# Altium PCB Sensor.PcbDoc (part 2 of 2) (continued)
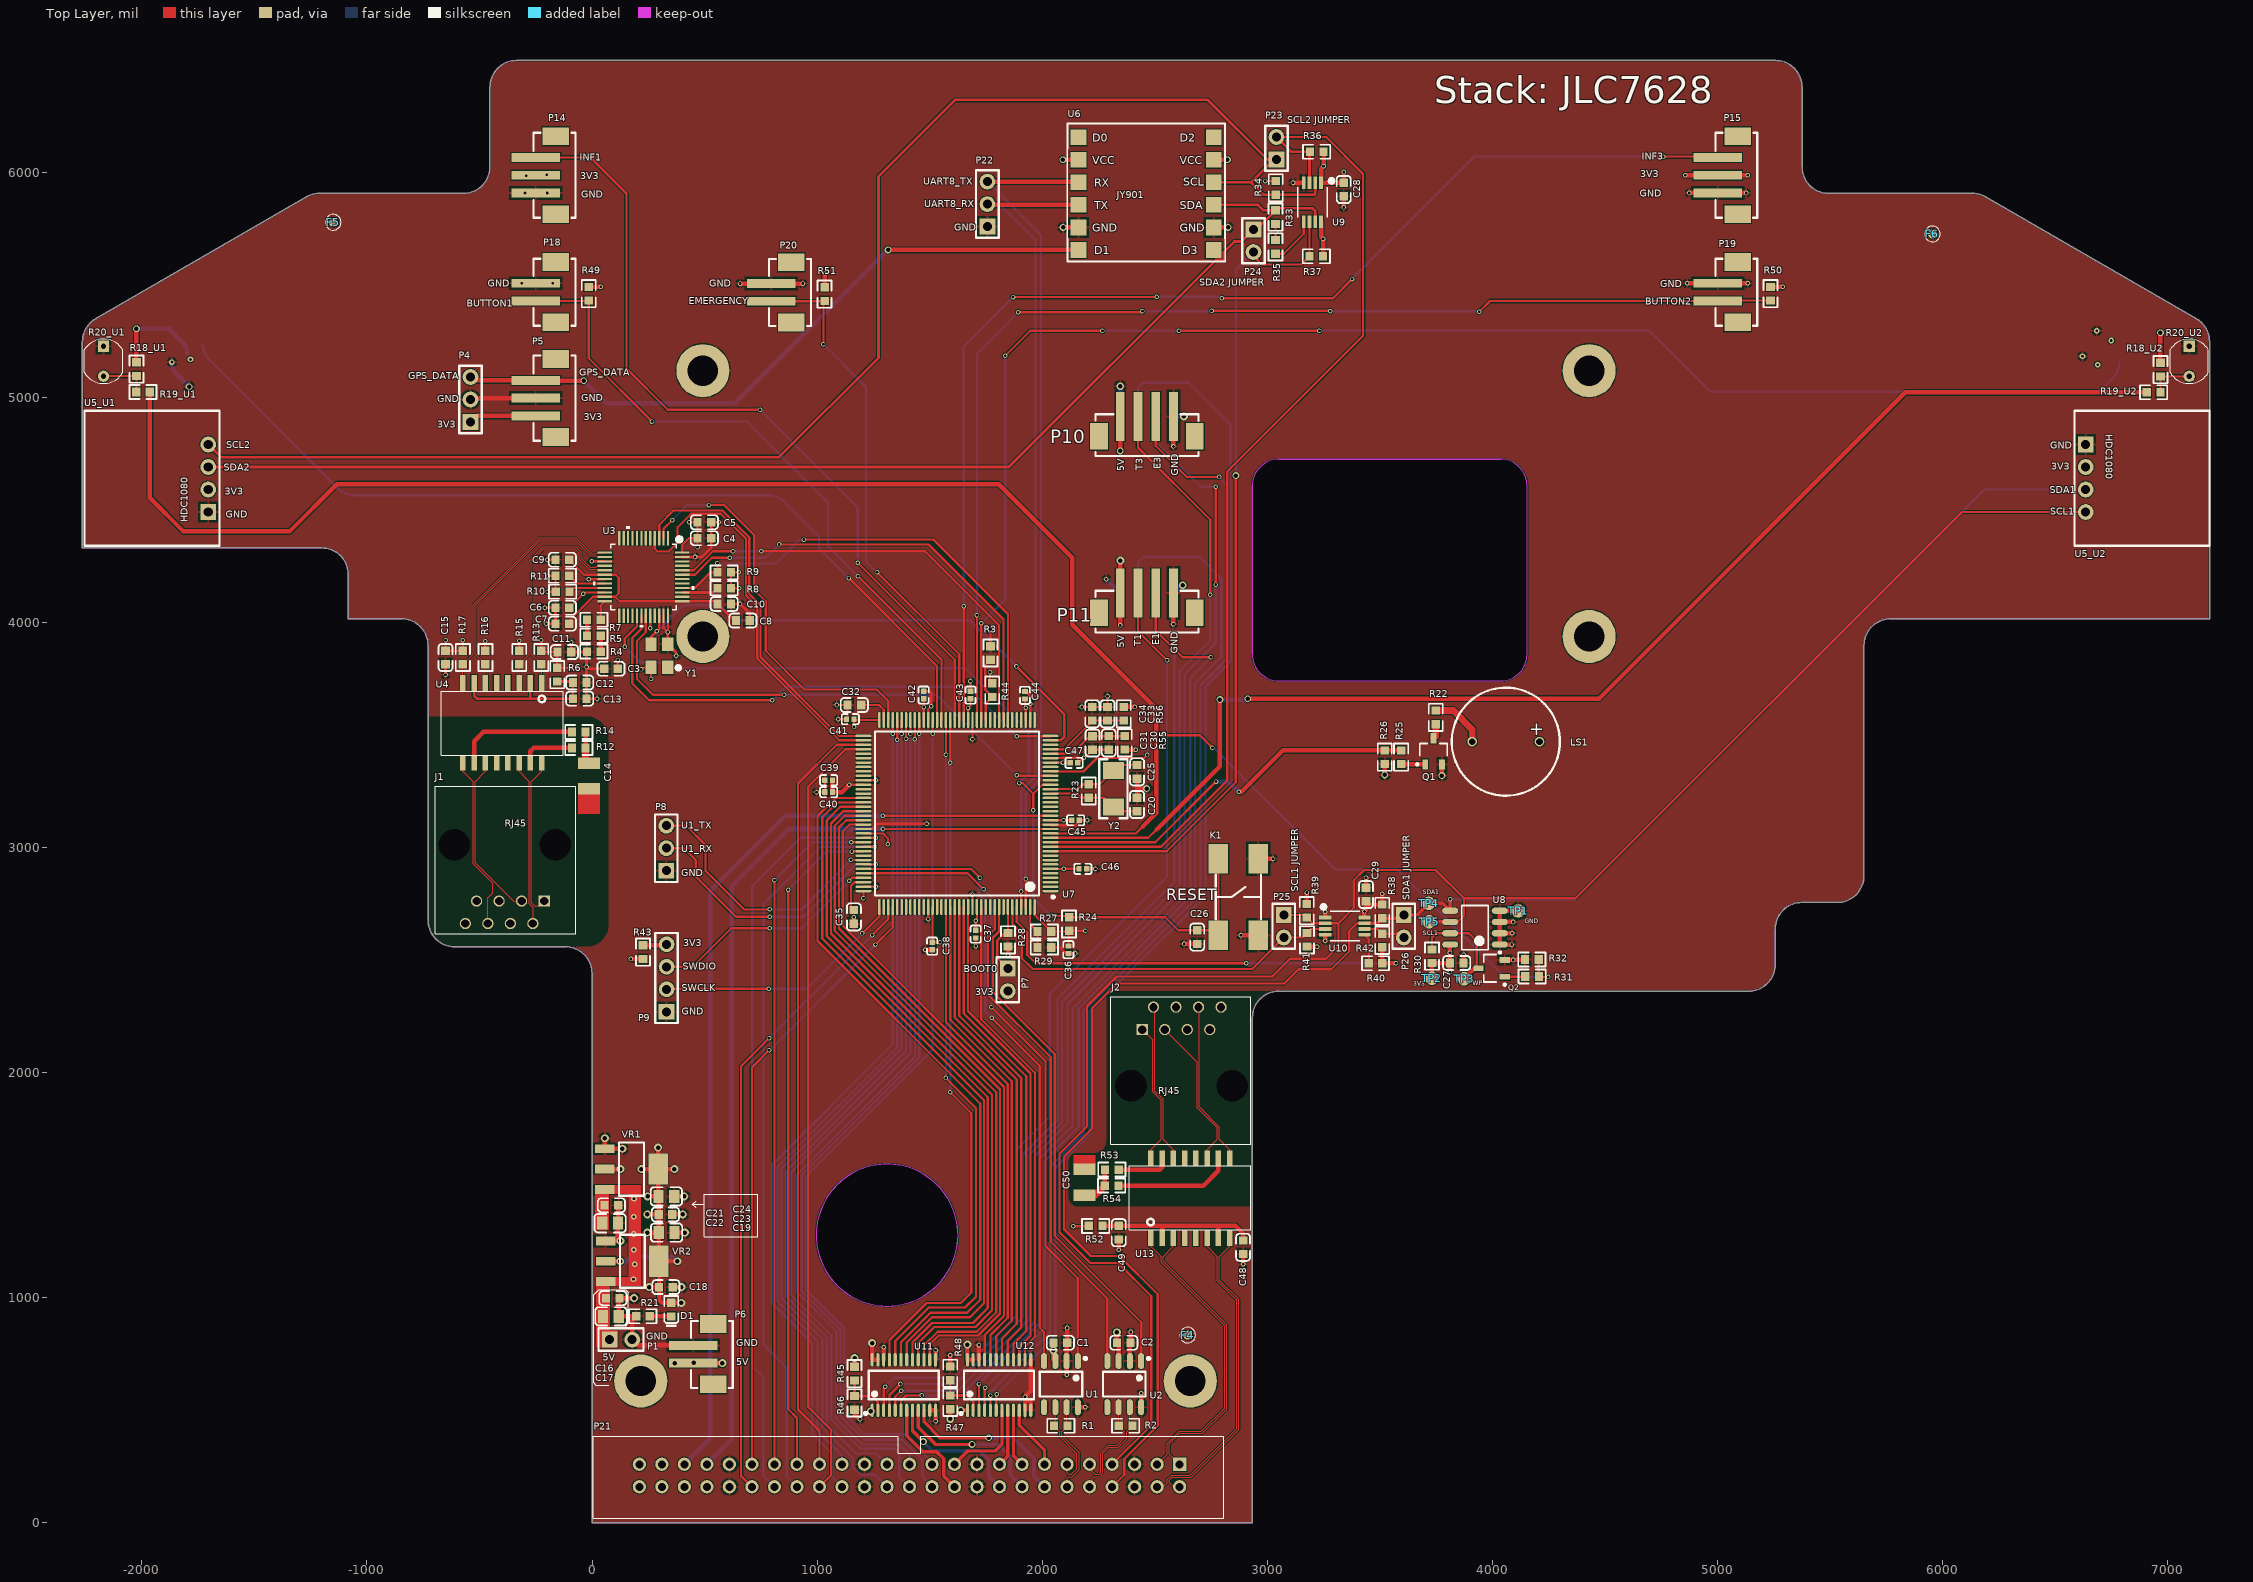
[diagram p0: Top Layer view]
## Nets (pads, with @x,y where several pads share a name; then routed paths per layer and width w, separated by ;. In a path a pad name is that pad's centre, name@x,y a point inside that pad or via, vN(x,y) a via of type N, cw(c..) or ccw(c..) an arc to the next point about the centre after c; other vN are vias at no path point) (continued)
  Top Layer w10: U3.43@401,4211.84 456.84,4211.84 532,4287 v1(612,4287) ; v1(831,4346) 1494,4346 1827.69,4012.31 U7.44@1827.69,3566.35
  Bottom Layer w10: v1(612,4287) 772,4287 v1(831,4346)
RXD1: U3.44 U7.45 | length 1998.9
  Top Layer w10: U3.44@401,4231.53 451.53,4231.53 536,4316 v1(626,4316) ; v1(752,4316) 1479,4316 1808.01,3986.99 U7.45@1808.01,3566.35
  Bottom Layer w10: v1(626,4316) v1(752,4316)
SCL1: P21.7 P25.1 R39.1 TP5.0 U5_U2.4 U8.6 U10.2 | length 8482
  Top Layer w10: P21.7@2310,260 2484,434 2484,1006 2336,1154 2213,1154 2076,1291 2076,1639 2199,1762 2199,2296 2330,2427 3021,2427 3100,2506 3260,2506 3315.8,2561.8 3315.8,2663.8 ; P25.1@3073,2700 3163.69,2700 R39.1@3175,2688.69 3199.89,2663.8 U10.2@3257,2663.8 3315.8,2663.8 ; U8.6@3810.76,2670 3846,2670 3873,2697 3873,2774 ; U5_U2.4@6635,4490 6085,4490 4369,2774 3873,2774 ; 3315.8,2663.8 3384,2732 3384,2855 3429,2900 3747,2900 3873,2774
  Top Layer w15: TP5.0@3718,2670 U8.6@3810.76,2670
SCL1_PB8: P25.2 R41.1 U7.139 U10.3 | length 1686.7
  Top Layer w10: U7.139@1867.06,2735.65 1867.06,2659.94 1909,2618 1909,2508 1957,2460 2933,2460 P25.2@3073,2600 3155.69,2600 R41.1@3176,2620.31 3193.89,2638.2 U10.3@3257,2638.2
SCL2: P23.1 R34.1 U5_U1.4 U6.10 U9.2 | length 6674.9
  Top Layer w12: U5_U1.4@-1705,4790 -1649,4734 831,4734 1272,5175 1272,5981 1612,6321 2735,6321 3000,6056 P23.1@3028.74,6056 ; U6.10@2761.26,5954.63 2927.37,5954.63 ; P23.1@3040,6056 P23.1@3028.74,6056 ; U9.2@3212.8,5953 3212.8,5905.8 3206.69,5899.69 R34.1@3037,5899.69 2982.31,5899.69 2927.37,5954.63 ; 2927.37,5954.63 P23.1@3028.74,6056
SCL2_PF1: P23.2 R36.1 U7.11 U9.3 | length 4618.6
  Top Layer w10: U7.11@2036.35,3003.36 2527.36,3003.36 2822,3298 2822,4670 3425,5273 3425,5992 3261,6156 P23.2@3040,6156
  Top Layer w12: P23.2@3040,6156 3105,6091 R36.1@3188.69,6091 3187.2,6089.52 U9.3@3187.2,5953
SDA1: P21.8 P26.1 R38.1 TP4.0 U5_U2.3 U8.5 U10.7 | length 7987.4
  Top Layer w10: P21.8@2310,160 2364,214 2364,283 2513,432 2513,1015 2343,1185 2216,1185 2096,1305 2096,1626 2222,1752 2222,2287 2331,2396 3075,2396 3138,2459 3283,2459 3363,2539 3363,2629 3397.8,2663.8 U10.7@3431,2663.8
  Top Layer w15: U10.7@3431,2663.8 3488.11,2663.8 R38.1@3510,2685.69 3591.69,2685.69 P26.1@3606,2700 3665,2700 TP4.0@3717,2752 3778.76,2752 U8.5@3811.76,2719 v1(3811.76,2770.24)
  Bottom Layer w10: v1(3811.76,2770.24) 4365.24,2770.24 6185,4590 U5_U2.3@6635,4590
SDA1_PB9: P26.2 R42.1 U7.140 U10.6 | length 2157.6
  Top Layer w10: U7.140@1886.75,2735.65 1886.75,2670.25 1933,2624 1933,2524 1971,2486 v1(2906,2486) ; U10.6@3431,2638.2 3489.11,2638.2 R42.1@3510,2617.31 3588.69,2617.31 P26.2@3606,2600
  Bottom Layer w10: v1(2906,2486) 3492,2486 P26.2@3606,2600
SDA2: P24.1 R33.1 U5_U1.3 U6.9 U9.7 | length 5748.5
  Top Layer w12: U5_U1.3@-1705,4690 1851,4690 2770.63,5609.63 2800.4,5609.63 2806.26,5615.49 2806.26,5645.26 2853,5692 2885,5692 P24.1@2938,5745 2950.69,5745 R33.1@3036,5830.31 ; U6.9@2761.26,5854.63 2958.37,5854.63 2982.69,5830.31 R33.1@3036,5830.31 ; U9.7@3212.8,5779 3212.8,5826.2 3200,5839 3044.69,5839 R33.1@3036,5830.31
SDA2_PF0: P24.2 R37.1 U7.10 U9.6 | length 3787.4
  Top Layer w10: U7.10@2036.35,2983.68 2552.68,2983.68 2859,3290 2859,4651 v3(2860,4652) ; P24.2@2938,5645 2938,5627 2975,5590 3150.69,5590 R37.1@3186.69,5626 3187.2,5626.52 U9.6@3187.2,5779
  Bottom Layer w10: v3(2860,4652) 2860,5567 P24.2@2938,5645
SWCLK: P9.2 U7.109 | length 1121.1
  Top Layer w10: P9.2@331,2370 333,2372 v1(785,2372) ; v1(1200,2618) 1276.51,2694.51 U7.109@1276.51,2735.65
  Bottom Layer w10: v1(785,2372) 954,2372 v1(1200,2618)
SWDIO: P9.3 U7.105 | length 1038.5
  Top Layer w10: P9.3@331,2470 447,2470 618,2641 v1(789,2641) ; v1(1142,2852) 1155.57,2865.57 U7.105@1205.65,2865.57
  Bottom Layer w10: v1(789,2641) 931,2641 v1(1142,2852)
TD_N: R15.1 U3.16 U4.3 | length 979
  Top Layer w4.96: U4.3@-324,3731 R15.1@-324,3813.69 -279.48,3858.21 -279.48,4274.19 -217.71,4335.96 -72.25,4335.96 -47,4310.71 -47,4283.85 -9,4245.85 17.16,4245.85 22.52,4251.21 U3.16@57,4251.21
TD_P: R13.2 U3.17 U4.1 | length 967.8
  Top Layer w4.96: U4.1@-226,3733 U4.1@-224,3731 -224,3811.68 R13.2@-226,3813.68 -270.52,3858.2 -270.52,4270.48 -214,4327 -75.96,4327 -55.96,4307 -55.96,4280.14 -12.71,4236.89 17.16,4236.89 22.52,4231.53 U3.17@57,4231.53
TRIG_CH1: P11.2 U11.3 | length 4362.8
  Top Layer w10: U11.3@1295.43,499.8 1295.43,598.43 v1(1302,605) ; P11.2@2425.26,4131 2425.26,3960.74 v1(2554,3832)
  Bottom Layer w10: v1(1302,605) 1341,644 1609,644 1888,923 1888,1659 2033,1804 2033,2349 2554,2870 v1(2554,3832)
TRIG_CH2: P13.2 U11.4 | length 4331.8
  Top Layer w10: U11.4@1321.02,499.8 1321.02,568.02 v1(1370,617)
  Bottom Layer w10: v1(1370,617) 1615,617 1914,916 1914,1636 2067,1789 2067,2328 2586,2847 2586,3879 2503.74,3961.26 P13.2@2503.74,4130
TRIG_CH3: P10.2 U11.5 | length 5274.7
  Top Layer w10: U11.5@1346.61,499.8 1346.61,560.61 v1(1373,587) ; P10.2@2425.26,4915 2425.26,4776.74 2746,4456 v1(2746,4123)
  Bottom Layer w10: v1(1373,587) 1624,587 1943,906 1943,1635 2088,1780 2088,2314 2611,2837 2611,3785 2746,3920 v1(2746,4123)
TRIG_CH4: P12.2 U11.6 | length 5288.1
  Top Layer w10: U11.6@1372.2,499.8 1372.2,543.2 1395,566 v1(1465,566) ; v1(2771,4168) v1(2771,4602)
  Bottom Layer w10: v1(1465,566) 1640,566 1701,627 1701,628 1965,892 1965,1628 2112,1775 2112,2302 2632,2822 2632,3769 2771,3908 v1(2771,4168) ; P12.2@2503.74,4915 2503.74,4802.26 2704,4602 v1(2771,4602)
TRIG_CH5: P21.22 U11.7 | length 464
  Top Layer w15: U11.7@1397.8,499.8 1397.8,386.2 1468,316 1530,316 1562,284 1562,208 P21.22@1610,160
TRIG_CH6: P21.18 U11.8 | length 622.4
  Top Layer w15: U11.8@1423.39,499.8 1423.39,409.61 v3(1472,361)
  Bottom Layer w15: v3(1472,361) 1512,321 1721,321 1762,280 1762,208 P21.18@1810,160
TRIG_CH7: P21.16 U11.9 | length 694.2
  Top Layer w15: U11.9@1448.98,499.8 1448.98,425.02 1526,348 v3(1688,348)
  Bottom Layer w15: v3(1688,348) 1805,348 1857,296 1857,213 P21.16@1910,160
TRIG_CH8: P21.14 U11.10 | length 752.5
  Top Layer w15: U11.10@1474.57,499.8 1474.57,448.43 1545,378 v3(1762,378)
  Bottom Layer w15: v3(1762,378) 1871,378 1962,287 1962,208 P21.14@2010,160
TX_EN: U3.2 U7.70 | length 1799.8
  Top Layer w10: U3.2@317.58,4374 317.58,4415.58 v1(356,4454) ; v1(519,4521) 587,4521 720,4388 720,4145 771,4094 771,3874 943,3702 1265,3702 1315.88,3651.12 U7.70@1315.88,3566.35
  Bottom Layer w10: v1(356,4454) 423,4521 v1(519,4521)
TXD0: U3.3 U7.73 | length 1690.4
  Top Layer w10: U3.3@297.9,4374 297.9,4433.9 361,4497 577.8,4497 698,4376.8 698,4125.8 748,4075.8 748,3845.8 1098.31,3495.49 U7.73@1205.65,3495.49
TXD1: U3.4 U7.74 | length 1787.9
  Top Layer w10: U3.4@278.21,4374 278.21,4326.79 290,4315 341,4315 380,4354 380,4422 441,4483 572,4483 684,4371 684,4120 734,4070 734,3840 1098.2,3475.8 U7.74@1205.65,3475.8
UART8_RX: P22.2 U6.4 U7.141 | length 3675
  Top Layer w10: U7.141@1906.43,2735.65 v1(1906.43,2804.57)
  Top Layer w20: P22.2@1756,5858 1759.37,5854.63 U6.4@2161.26,5854.63
  Bottom Layer w10: P22.2@1756,5858 1809,5858 1970,5697 1970,3315 1906.43,3251.43 v1(1906.43,2804.57)
UART8_TX: P22.3 U6.3 U7.142 | length 3756.4
  Top Layer w10: U7.142@1926.12,2735.65 1927,2736.53 v1(1927,2860)
  Top Layer w20: P22.3@1756,5958 2157.89,5958 U6.3@2161.26,5954.63
  Bottom Layer w10: P22.3@1756,5958 1994,5720 1994,3308 1926.12,3240.12 1927,3239.24 v1(1927,2860)
USART1_RX_PA10: P8.2 U7.102 | length 1249.1
  Top Layer w10: P8.2@330,2997 407,2997 460,2944 460,2871 639,2692 v1(789,2692) ; U7.102@1205.65,2924.62 v1(1259.62,2924.62)
  Bottom Layer w10: v1(789,2692) 940,2692 1172.62,2924.62 v1(1259.62,2924.62)
USART1_TX_PA9: P8.3 U7.101 | length 1187.9
  Top Layer w10: P8.3@330,3097 418,3097 504,3011 504,2897 676,2725 v1(789,2725) ; v1(1150,2945) 1150.69,2944.31 U7.101@1205.65,2944.31
  Bottom Layer w10: v1(789,2725) 930,2725 v1(1150,2945)
USART3_RX: P21.39 U7.112 | length 2736.5
  Top Layer w10: P21.39@710,260 710,2023 v1(786,2099) ; v1(1259,2569) 1335.57,2645.57 U7.112@1335.57,2735.65
  Bottom Layer w10: v1(786,2099) 789,2099 v1(1259,2569)
USART3_TX: P21.40 U7.111 | length 2866.4
  Top Layer w10: P21.40@710,160 662,208 662,2028 v1(786,2152) ; v1(1245,2611) 1315.88,2681.88 U7.111@1315.88,2735.65
  Bottom Layer w10: v1(786,2152) v1(1245,2611)
VDDA: C33.2 C34.1 R56.2 U7.33 | length 379.9
  Top Layer w10: U7.33@2036.35,3436.43 2097.43,3436.43 2222,3561 C34.1@2222,3563.69 C33.2@2290,3563.69 R56.2@2362,3563.68
VREF+: C30.1 C31.2 R55.2 U7.32 | length 362.2
  Top Layer w10: U7.32@2036.35,3416.75 2131.75,3416.75 2209.32,3494.31 C31.2@2223,3494.31 2365,3494.31 R55.2@2366,3495.32
~MDI0_N: J1.2 U4.14 | length 741.6
  Top Layer w4.96: U4.14@-324,3376 -324,3338.52 -278.48,3293 -278.48,2750.29 -260.23,2732.04 -260.23,2664.77 J1.2@-263,2662
~MDI0_P: J1.1 U4.16 | length 711.5
  Top Layer w4.96: U4.16@-224,3376 -224,3338.52 -269.52,3293 -269.52,2754 -256.52,2741 -234,2741 J1.1@-213,2762
~MDI1_N: J1.6 U4.9 | length 777.9
  Top Layer w4.96: U4.9@-574,3376 -574,3338.52 -528.48,3293 -528.48,2928.81 -441.34,2841.66 -441.34,2797.66 -463,2776 J1.6@-463,2662
~MDI1_P: J1.3 U4.11 | length 739.5
  Top Layer w4.96: U4.11@-474,3376 -474,3338.52 -519.52,3293 -519.52,2932.52 -349,2762 J1.3@-313,2762
pads on no net: F1. F2. F3. F4. F5. F6. J1.4 J1.5 J1.7 J1.8 J1.MNT J2.4 J2.5 J2.7 J2.8 J2.MNT P5.0 P6.0 P10.0 P11.0 P12.0 P13.0 P14.0 P15.0 P16.0 P17.0 P18.0 P19.0 P20.0 U1.5 U2.5 U3.1 U3.5 U3.6 U3.7 U3.8 U3.9 U3.10 U3.11 U3.12 U3.25 U3.33 U3.38 U3.41 U3.42 U3.45 U3.46 U4.4 U4.5 U4.12 U4.13 U6.1 U6.7 U6.12 U7.1 U7.2 U7.3 U7.4 U7.5 U7.7 U7.8 U7.9 U7.19 U7.20 U7.22 U7.26 U7.29 U7.34 U7.37 U7.40 U7.41 U7.42 U7.46 U7.47 U7.77 U7.78 U7.79 U7.80 U7.81 U7.82 U7.85 U7.86 U7.100 U7.110 U7.113 U7.114 U7.115 U7.116 U7.117 U7.118 U7.119 U7.122 U7.123 U7.133 U7.134 U7.137 U13.4 U13.5 U13.12 U13.13 Y1.1

## Polygon pours and split planes (outlines as drawn)
GND on Bottom Layer "GND_L04_P003" (solid, remove dead copper, pour order 3): -610.24,2558.79 cw(c-610.24,2677.17) -728.61,2677.17 -728.61,3897.64 ccw(c-846.46,3897.64) -846.46,4015.48 -1082.68,4015.48 cw(c-1082.68,4015.75) -1082.94,4015.75 -1082.94,4212.6 ccw(c-1200.79,4212.6) -1200.79,4330.44 -2263.78,4330.44 cw(c-2263.78,4330.71) -2264.04,4330.71 -2264.04,5246.77 cw(c-2263.78,5246.77) -2264.04,5246.78 cw(c-2145.67,5246.77) -2204.86,5349.29 -1268.46,5889.92 cw(c-1268.32,5889.69) -1268.45,5889.92 cw(c-1209.27,5787.4) -1209.27,5905.78 -571.62,5905.78 ccw(c-571.62,6023.62) -453.78,6023.62 -453.78,6377.95 cw(c-335.4,6377.95) -335.4,6496.33 5256.66,6496.33 cw(c5256.66,6377.95) 5375.04,6377.96 cw(c5256.46,6377.96) 5375.04,6377.95 5375.04,6023.62 ccw(c5374.51,6023.62) 5375.04,6023.62 cw(c5374.77,6023.62) 5375.04,6023.62 ccw(c5492.88,6023.62) 5492.88,5905.78 cw(c5492.88,5905.51) 5492.89,5905.78 6130.53,5905.78 cw(c6130.53,5787.4) 6189.71,5889.92 7126.12,5349.29 cw(c7125.92,5349.09) 7126.12,5349.29 cw(c7066.93,5246.77) 7185.3,5246.78 cw(c7185.04,5246.77) 7185.3,5246.77 7185.3,4015.75 cw(c7185.04,4015.75) 7185.04,4015.48 5767.72,4015.48 ccw(c5767.72,3897.64) 5649.87,3897.64 5649.87,2874.02 cw(c5649.61,2874.02) 5649.87,2874.01 ccw(c5531.29,2874.01) 5649.87,2874.02 5649.87,2874.01 cw(c5531.5,2874.02) 5531.5,2755.64 5374.02,2755.64 ccw(c5374.02,2755.91) 5374.02,2755.64 ccw(c5374.02,2637.8) 5256.17,2637.8 cw(c5255.91,2637.8) 5256.17,2637.8 5256.17,2480.32 cw(c5255.91,2480.32) 5256.17,2480.3 ccw(c5137.85,2480.31) 5256.17,2480.32 ccw(c5255.91,2480.32) 5256.17,2480.32 5256.17,2480.3 cw(c5137.8,2480.32) 5137.8,2361.94 cw(c5137.8,2362.21) 5137.8,2361.94 3051.18,2361.94 cw(c3051.18,2362.21) 3051.17,2361.94 cw(c3051.18,2243.63) 3051.18,2361.94 3051.17,2361.94 ccw(c3051.18,2244.09) 2933.34,2244.09 2933.34,0 cw(c2933.07,0) 2933.07,-0.26 0,-0.26 cw(c0,0) -0.26,0 -0.26,2440.95 -0.27,2440.95 ccw(c-118.11,2440.95) -118.11,2558.79 cw(c-118.11,2559.06) -118.12,2558.79
GND on Top Layer "GND_L01_P002" (solid, remove dead copper, pour order 2): -610.24,2558.79 cw(c-610.24,2677.17) -728.61,2677.17 -728.61,3897.64 ccw(c-846.46,3897.64) -846.46,4015.48 -1082.68,4015.48 cw(c-1082.68,4015.75) -1082.94,4015.75 -1082.94,4212.6 ccw(c-1200.79,4212.6) -1200.79,4330.44 -2263.78,4330.44 cw(c-2263.78,4330.71) -2264.04,4330.71 -2264.04,5246.77 cw(c-2263.78,5246.77) -2264.04,5246.78 cw(c-2145.67,5246.77) -2204.86,5349.29 -1268.46,5889.92 cw(c-1268.32,5889.69) -1268.45,5889.92 cw(c-1209.27,5787.4) -1209.27,5905.78 -571.62,5905.78 ccw(c-571.62,6023.62) -453.78,6023.62 -453.78,6377.95 cw(c-335.4,6377.95) -335.4,6496.33 5256.66,6496.33 cw(c5256.66,6377.95) 5375.04,6377.96 cw(c5256.46,6377.96) 5375.04,6377.95 5375.04,6023.62 ccw(c5374.51,6023.62) 5375.04,6023.62 cw(c5374.77,6023.62) 5375.04,6023.62 ccw(c5492.88,6023.62) 5492.88,5905.78 cw(c5492.88,5905.51) 5492.89,5905.78 6130.53,5905.78 cw(c6130.53,5787.4) 6189.71,5889.92 7126.12,5349.29 cw(c7125.92,5349.09) 7126.12,5349.29 cw(c7066.93,5246.77) 7185.3,5246.78 cw(c7185.04,5246.77) 7185.3,5246.77 7185.3,4015.75 cw(c7185.04,4015.75) 7185.04,4015.48 5767.72,4015.48 ccw(c5767.72,3897.64) 5649.87,3897.64 5649.87,2874.02 cw(c5649.61,2874.02) 5649.87,2874.01 ccw(c5531.29,2874.01) 5649.87,2874.02 5649.87,2874.01 cw(c5531.5,2874.02) 5531.5,2755.64 5374.02,2755.64 ccw(c5374.02,2755.91) 5374.02,2755.64 ccw(c5374.02,2637.8) 5256.17,2637.8 cw(c5255.91,2637.8) 5256.17,2637.8 5256.17,2480.32 cw(c5255.91,2480.32) 5256.17,2480.3 ccw(c5137.85,2480.31) 5256.17,2480.32 ccw(c5255.91,2480.32) 5256.17,2480.32 5256.17,2480.3 cw(c5137.8,2480.32) 5137.8,2361.94 cw(c5137.8,2362.21) 5137.8,2361.94 3051.18,2361.94 cw(c3051.18,2362.21) 3051.17,2361.94 cw(c3051.18,2243.63) 3051.18,2361.94 3051.17,2361.94 ccw(c3051.18,2244.09) 2933.34,2244.09 2933.34,0 cw(c2933.07,0) 2933.07,-0.26 0,-0.26 cw(c0,0) -0.26,0 -0.26,2440.95 -0.27,2440.95 ccw(c-118.11,2440.95) -118.11,2558.79 cw(c-118.11,2559.06) -118.12,2558.79
GND on GND (split plane): 367 vertices, not listed, extent -2243.95,19.83 7165.21,6476.23
5V on POWER (split plane): 386 vertices, not listed, extent 19.83,20.05 2689.47,5106.47
3V3 on POWER (split plane): 175 vertices, not listed, extent 366.53,19.83 2913.14,1438
3V3 on POWER (split plane): 558 vertices, not listed, extent -2243.95,766.52 7165.21,6476.23

## Keep-outs
Keep-Out Layer:
  circle w0.5: c1310.63,1277.95 r314.96
  lines w0.5: -2263.78,4330.71 -2263.78,5246.77 cw(c-2145.67,5246.77) -2204.72,5349.06 -1268.32,5889.69 cw(c-1209.27,5787.4) -1209.27,5905.51 -571.62,5905.51 ccw(c-571.62,6023.62) -453.51,6023.62 -453.51,6377.95 cw(c-335.4,6377.95) -335.4,6496.06 5256.66,6496.06 cw(c5256.66,6377.95) 5374.77,6377.95 5374.77,6023.62 ccw(c5492.88,6023.62) 5492.88,5905.51 6130.53,5905.51 cw(c6130.53,5787.4) 6189.58,5889.69 7125.98,5349.06 cw(c7066.93,5246.77) 7185.04,5246.77 7185.04,4015.75 5767.72,4015.75 ccw(c5767.72,3897.64) 5649.61,3897.64 5649.61,2874.02 cw(c5531.5,2874.02) 5531.5,2755.91 5374.02,2755.91 ccw(c5374.02,2637.8) 5255.91,2637.8 5255.91,2480.32 cw(c5137.8,2480.32) 5137.8,2362.2 3051.18,2362.2 ccw(c3051.18,2244.09) 2933.07,2244.09 2933.07,0 0,0 0,39.37 0,385.83 0,2440.95 ccw(c-118.11,2440.95) -118.11,2559.06 -610.24,2559.06 cw(c-610.24,2677.17) -728.35,2677.17 -728.35,3897.64 ccw(c-846.46,3897.64) -846.46,4015.75 -1082.68,4015.75 -1082.68,4212.6 ccw(c-1200.79,4212.6) -1200.79,4330.71 -2263.78,4330.71 ; 2933.07,3858.27 ccw(c3051.18,3858.27) 3051.18,3740.16 4035.43,3740.16 ccw(c4035.43,3858.27) 4153.54,3858.27 4153.54,4606.3 ccw(c4035.43,4606.3) 4035.43,4724.41 3051.18,4724.41 ccw(c3051.18,4606.3) 2933.07,4606.3 2933.07,3858.27

## Other copper
Top Layer:
  rectangle net 5V: 18,778 80,1090
  rectangle net 5V: 30,778 114,857
  rectangle net 5V: 14,1301 76,1500
  rectangle net 5V: 65,1460 217,1500
  rectangle net 5V: 161,1062 217,1500
  rectangle net 5V: 88,1053 217,1091
  rectangle net EARTH_GND2: -62,3149 36,3286
  rectangle net EARTH_GND1: 2139,1595 2237,1633
  pour cut-out: 2115,1451 2115,1604 cw(c2155,1604) 2155,1644 2233,1644 ccw(c2233,1694) 2283,1694 2283,2314 cw(c2333,2314) 2333,2364 3029,2364 ccw(c3029,2314) 2979,2314 2979,1397 ccw(c2973,1397) 2973,1403 2163,1403 cw(c2163,1451)
  pour cut-out: -789,3582 -25,3582 cw(c-25,3482) 75,3482 75,2659.06 cw(c-25,2659.06) -25,2559.06 -756,2559.06 cw(c-756.03,2603.03) -800,2603 -800,3571 cw(c-789,3571)
Bottom Layer:
  pour cut-out: 2115,1451 2115,1604 cw(c2155,1604) 2155,1644 2233,1644 ccw(c2233,1694) 2283,1694 2283,2314 cw(c2333,2314) 2333,2364 3029,2364 ccw(c3029,2314) 2979,2314 2979,1397 ccw(c2973,1397) 2973,1403 2163,1403 cw(c2163,1451)
  pour cut-out: -789,3582 -25,3582 cw(c-25,3482) 75,3482 75,2659.06 cw(c-25,2659.06) -25,2559.06 -756,2559.06 cw(c-756.03,2603.03) -800,2603 -800,3571 cw(c-789,3571)
GND (plane layer: these items are gaps in the copper):
  rectangle: -934,2455 59,3629
  rectangle: 2263,1441 3158,2389
POWER (plane layer: these items are gaps in the copper):
  rectangle: 2266,1438 3167,2384
  rectangle: -922,2459 47,3625
  lines w5: -5,1529 192,1529 cw(c192,1479) 242,1479 242,814 ccw(c292,814) 292,764 1914,764 ccw(c1914,795) 1945,795 cw(c1995,795) 1995,845 2121,845 ccw(c2121,895) 2171,895 2171,2456 cw(c2221,2456) 2221,2506 2534,2506 ccw(c2534,2556) 2584,2556 2584,3841 ccw(c2534,3841) 2534,3891 2302,3891 cw(c2302,3941) 2252,3941 2252,5059 cw(c2302,5059) 2302,5109 2642,5109 cw(c2642,5059) 2692,5059 2692,2433 cw(c2642,2433) 2642,2383 2316,2383 ccw(c2316,2333) 2266,2333 2266,998 ccw(c2316,998) 2316,948 2327,948 cw(c2327,898) 2377,898 2377,715 cw(c2327,715) 2327,665 1739,665 ccw(c1739,615) 1689,615 1689,484 cw(c1639,484) 1639,434 1608,434 ; 570,6 570,163 ccw(c520,163) 520,213 414,213 cw(c414,263) 364,263 364,606 cw(c414,606) 414,656 1159,656 cw(c1159,606) 1209,606 1209,484 ccw(c1259,484) 1259,434 1634,434
Multi-Layer:
  pour cut-out: 995.67,1277.95 ccw(c1310.63,1277.95) 1310.63,962.99 ccw(c1310.63,1277.95) 1625.59,1277.95 ccw(c1310.63,1277.95) 1310.63,1592.91 ccw(c1310.63,1277.95)

## Silkscreen, mask and mechanical layers (free items; w line width, h text height)
Top Overlay:
  lines w3: 74,612 17,612 7,622 7,1013 29,1035 150,1035 161,1024 161,886 149,874 ; 461,1402 446,1415 ; 462,1429 446,1415 ; 498,1415 446,1415 ; 499,1270 736,1270 736,1460 499,1460 499,1270
  text "Stack: JLC7628" at 3741,6306 h120
  text "SCL2 JUMPER" at 3088,6217 h30
  text "INF3" at 4662,6055 h30
  text "INF1" at -54,6051 h30
  text "3V3" at 4656,5977 h30
  text "3V3" at -52,5968 h30
  text "UART8_TX" at 1471,5943 h30
  text "GND" at 4655,5891 h30
  text "GND" at -48,5886 h30
  text "UART8_RX" at 1475,5843 h30
  text "GND" at 1609,5739 h30
  text "SDA2 JUMPER" at 2697,5496 h30
  text "GND" at -463,5490 h30
  text "GND" at 520,5490 h30
  text "GND" at 4745,5489 h30
  text "EMERGENCY" at 430,5414 h30
  text "BUTTON2" at 4679,5410 h30
  text "BUTTON1" at -557,5403 h30
  text "GPS_DATA" at -56,5096 h30
  text "GPS_DATA" at -817,5079 h30
  text "GND" at -48,4982 h30
  text "GND" at -687,4978 h30
  text "3V3" at -38,4898 h30
  text "3V3" at -687,4865 h30
  text "SCL2" at -1626,4774 h30
  text "GND" at 6478,4771 h30
  text "E3" at 2527,4680 h30 r90
  text "3V3" at 6482,4677 h30
  text "T3" at 2446,4675 h30 r90
  text "SDA2" at -1636,4674 h30
  text "5V" at 2364,4671 h30 r90
  text "GND" at 2603,4651 h30 r90
  text "SDA1" at 6476,4573 h30
  text "3V3" at -1632,4568 h30
  text "SCL1" at 6478,4479 h30
  text "GND" at -1628,4464 h30
  text "E1" at 2519,3898 h30 r90
  text "T1" at 2439,3894 h30 r90
  text "5V" at 2363,3888 h30 r90
  text "GND" at 2601,3861 h30 r90
  text "U1_TX" at 396,3083 h30
  text "U1_RX" at 396,2979 h30
  text "GND" at 396,2872 h30
  text "SCL1 JUMPER" at 3138,2803 h30 r90
  text "SDA1" at 3691,2792 h20
  text "RESET" at 2550,2766 h50
  text "SDA1 JUMPER" at 3633,2765 h30 r90
  text "GND" at 4143,2663 h20
  text "SCL1" at 3689,2610 h20
  text "3V3" at 405,2562 h30
  text "SWDIO" at 403,2457 h30
  text "BOOT0" at 1650,2446 h30
  text "WP" at 3913,2388 h20
  text "3V3" at 3647,2386 h20
  text "SWCLK" at 398,2361 h30
  text "3V3" at 1702,2343 h30
  text "GND" at 398,2256 h30
  text "GND" at 240,813 h30
  text "GND" at 641,784 h30
  text "5V" at 48,719 h30
  text "5V" at 641,700 h30
Bottom Overlay:
  text "GND" at 6589,5096 h30 r60
  text "GND" at 2333,5077 h30 r270
  text "3V3" at 6658,5061 h30 r60
  text "5V" at 2568,5042 h30 r270
  text "E4" at 2414,5041 h30 r270
  text "T4" at 2493,5039 h30 r270
  text "INF2" at -1632,5035 h30 r300
  text "INF4" at 6729,5022 h30 r60
  text "3V3" at -1701,4993 h30 r300
  text "GND" at -1770,4942 h30 r300
  text "GND" at 2333,4305 h30 r270
  text "E2" at 2415,4260 h30 r270
  text "T2" at 2490,4257 h30 r270
  text "5V" at 2569,4254 h30 r270
  text "GND" at 597,323 h30 r270
  text "5V" at 198,314 h30 r270
  text "GND" at 1193,312 h30 r270
  text "GND" at 2394,311 h30 r270
  text "5V" at 292,310 h30 r270
  text "GND" at 1703,309 h30 r270
  text "LED1" at 899,308 h30 r270
  text "PWM1" at 1000,307 h30 r270
  text "E8" at 1994,306 h30 r270
  text "ADC1" at 499,305 h30 r270
  text "FAN1" at 1094,305 h30 r270
  text "INF5" at 1395,305 h30 r270
  text "E7" at 1896,305 h30 r270
  text "SCL1" at 2295,305 h30 r270
  text "E5" at 1598,304 h30 r270
  text "CAN1L" at 2090,304 h30 r270
  text "U3RX" at 697,303 h30 r270
  text "E6" at 1793,303 h30 r270
  text "TD_N" at 2602,303 h30 r270
  text "ADC2" at 398,301 h30 r270
  text "LED3" at 793,301 h30 r270
  text "CAN2L" at 2198,301 h30 r270
  text "TD_P" at 2497,301 h30 r270
  text "INF7" at 1295,300 h30 r270
  text "BT3" at 1506,300 h30 r270
  text "T6" at 1796,59 h30 r270
  text "T7" at 1888,58 h30 r270
  text "T8" at 1986,58 h30 r270
  text "T5" at 1594,57 h30 r270
  text "5V" at 192,52 h30 r270
  text "5V" at 493,48 h30 r270
  text "5V" at 291,47 h30 r270
  text "5V" at 394,46 h30 r270
  text "INF8" at 1290,36 h30 r270
  text "INF6" at 1394,36 h30 r270
  text "BT4" at 1487,36 h30 r270
  text "GND" at 599,28 h30 r270
  text "GND" at 2395,27 h30 r270
  text "U3TX" at 690,21 h30 r270
  text "GND" at 1193,21 h30 r270
  text "LED4" at 789,20 h30 r270
  text "LED2" at 891,20 h30 r270
  text "FAN2" at 1090,20 h30 r270
  text "SDA1" at 2290,20 h30 r270
  text "GND" at 1692,19 h30 r270
  text "RD_P" at 2487,18 h30 r270
  text "RD_N" at 2595,17 h30 r270
  text "CAN2H" at 2146,15 h30 r270
  text "CAN1H" at 2048,14 h30 r270
  text "PWM2" at 988,10 h30 r270
Top Solder:
  rectangle: -66,3149 40,3232
  rectangle: 2135,1596 2241,1635
Mechanical 2:
  drawing of 183 lines, arcs and shapes, not listed
  text "1" at -7996.15,10213.53 h72.92
  text "2" at -6044.05,10213.53 h72.92
  text "3" at -4075.55,10213.53 h72.92
  text "4" at -2107.04,10213.53 h72.92
  text "5" at -138.54,10213.53 h72.92
  text "6" at 1829.96,10213.53 h72.92
  text "7" at 3798.47,10213.53 h72.92
  text "8" at 5766.97,10213.53 h72.92
  text "9" at 7735.48,10213.53 h72.92
  text "10" at 9679.37,10213.53 h72.92
  text "11" at 11656.08,10213.53 h72.92
  text "12" at 13608.18,10213.53 h72.92
  text "A" at -8583.42,9130.85 h72.92
  text "A" at 14211.85,9130.85 h72.92
  text "B" at -8583.42,7162.35 h72.92
  text "B" at 14211.85,7162.35 h72.92
  text "C" at -8583.42,5193.85 h72.92
  text "C" at 14211.85,5193.85 h72.92
  text "D" at -8583.42,3225.34 h72.92
  text "D" at 14211.85,3225.34 h72.92
  text "E" at -8583.42,1256.84 h72.92
  text "E" at 14211.85,1256.84 h72.92
  text "F" at -8583.42,-711.67 h72.92
  text "F" at 14211.85,-711.67 h72.92
  text "G" at -8583.42,-2680.17 h72.92
  text "G" at 14195.51,-2693.74 h72.92
  text "DEBUR AND" at 10174.16,-3749.65 h59.06
  text "UNLESS OTHERWISE SPECIFIED:" at 6996.38,-3752.89 h59.06
  text "FINISH:" at 8326.21,-3752.95 h59.06
  text "DO NOT SCALE DRAWING" at 11406.66,-3807.53 h59.06
  text "REVISION" at 13009.53,-3815.33 h59.06
  text "BREAK SHARP" at 10174.16,-3848.08 h59.06
  text "DIMENSIONS ARE IN MILLIMETERS" at 6996.38,-3851.31 h59.06
  text "EDGES" at 10174.16,-3946.51 h59.06
  text "SURFACE FINISH:" at 6996.38,-3949.74 h59.06
  text "TOLERANCES:" at 6996.38,-4048.16 h59.06
  text "LINEAR:" at 7062.82,-4146.59 h59.06
  text "ANGULAR:" at 7062.82,-4245.01 h59.06
  text "DATE" at 8831.86,-4435.75 h59.06
  text "SIGNATURE" at 8155.43,-4436.32 h59.06
  text "NAME" at 7536.88,-4438.69 h59.06
  text "TITLE:" at 10908.29,-4447.48 h59.06
  text "DRAWN" at 6981.36,-4599 h59.06
  text "H" at -8583.42,-4648.67 h72.92
  text "CHK'D" at 6989.17,-4767.32 h59.06
  text "APPV'D" at 6988.83,-4928.35 h59.06
  text "MFG" at 6990.93,-5098.84 h59.06
  text "MATERIAL:" at 9163.79,-5246.39 h59.06
  text "Q.A" at 6999.35,-5271.44 h59.06
  text "DWG NO." at 10912.93,-5290.38 h59.06
  text "STM32_PCB_asm" at 12472.89,-5299.71 h250
  text "A2" at 13985.65,-5312.75 h114.58
  text "1" at -7996.15,-5731.35 h72.92
  text "2" at -6044.05,-5731.35 h72.92
  text "3" at -4075.55,-5731.35 h72.92
  text "4" at -2107.04,-5731.35 h72.92
  text "5" at -138.54,-5731.35 h72.92
  text "6" at 1829.96,-5731.35 h72.92
  text "7" at 3798.47,-5731.35 h72.92
  text "8" at 5766.97,-5731.35 h72.92
  text "WEIGHT:" at 9162.69,-5759.65 h59
  text "SCALE:1:1" at 10912.93,-5761.58 h59.06
  text "SHEET 1 OF 1" at 12661.13,-5761.58 h59.06
Mechanical 5:
  drawing of 187 lines, arcs and shapes, not listed
  text "1" at -7996.15,10213.53 h72.92
  text "2" at -6044.05,10213.53 h72.92
  text "3" at -4075.55,10213.53 h72.92
  text "4" at -2107.04,10213.53 h72.92
  text "5" at -138.54,10213.53 h72.92
  text "6" at 1829.96,10213.53 h72.92
  text "7" at 3798.47,10213.53 h72.92
  text "8" at 5766.97,10213.53 h72.92
  text "9" at 7735.48,10213.53 h72.92
  text "10" at 9679.37,10213.53 h72.92
  text "11" at 11656.08,10213.53 h72.92
  text "12" at 13608.18,10213.53 h72.92
  text "A" at -8583.42,9130.85 h72.92
  text "A" at 14211.85,9130.85 h72.92
  text "B" at -8583.42,7162.35 h72.92
  text "B" at 14211.85,7162.35 h72.92
  text "C" at -8583.42,5193.85 h72.92
  text "C" at 14211.85,5193.85 h72.92
  text "D" at -8583.42,3225.34 h72.92
  text "D" at 14211.85,3225.34 h72.92
  text "E" at -8583.42,1256.84 h72.92
  text "E" at 14211.85,1256.84 h72.92
  text "F" at -8583.42,-711.67 h72.92
  text "F" at 14211.85,-711.67 h72.92
  text "G" at -8583.42,-2680.17 h72.92
  text "G" at 14195.51,-2693.74 h72.92
  text "DEBUR AND" at 10174.16,-3749.65 h59.06
  text "UNLESS OTHERWISE SPECIFIED:" at 6996.38,-3752.89 h59.06
  text "FINISH:" at 8326.21,-3752.95 h59.06
  text "DO NOT SCALE DRAWING" at 11406.66,-3807.53 h59.06
  text "REVISION" at 13009.53,-3815.33 h59.06
  text "BREAK SHARP" at 10174.16,-3848.08 h59.06
  text "DIMENSIONS ARE IN MILLIMETERS" at 6996.38,-3851.31 h59.06
  text "EDGES" at 10174.16,-3946.51 h59.06
  text "SURFACE FINISH:" at 6996.38,-3949.74 h59.06
  text "TOLERANCES:" at 6996.38,-4048.16 h59.06
  text "LINEAR:" at 7062.82,-4146.59 h59.06
  text "ANGULAR:" at 7062.82,-4245.01 h59.06
  text "DATE" at 8831.86,-4435.75 h59.06
  text "SIGNATURE" at 8155.43,-4436.32 h59.06
  text "NAME" at 7536.88,-4438.69 h59.06
  text "TITLE:" at 10908.29,-4447.48 h59.06
  text "DRAWN" at 6981.36,-4599 h59.06
  text "H" at -8583.42,-4648.67 h72.92
  text "CHK'D" at 6989.17,-4767.32 h59.06
  text "APPV'D" at 6988.83,-4928.35 h59.06
  text "MFG" at 6990.93,-5098.84 h59.06
  text "MATERIAL:" at 9163.79,-5246.39 h59.06
  text "Q.A" at 6999.35,-5271.44 h59.06
  text "DWG NO." at 10912.93,-5290.38 h59.06
  text "STM32_PCB_asm_new" at 12468.07,-5299.71 h250
  text "A2" at 13985.65,-5312.75 h114.58
  text "1" at -7996.15,-5731.35 h72.92
  text "2" at -6044.05,-5731.35 h72.92
  text "3" at -4075.55,-5731.35 h72.92
  text "4" at -2107.04,-5731.35 h72.92
  text "5" at -138.54,-5731.35 h72.92
  text "6" at 1829.96,-5731.35 h72.92
  text "7" at 3798.47,-5731.35 h72.92
  text "8" at 5766.97,-5731.35 h72.92
  text "WEIGHT:" at 9162.69,-5759.65 h59
  text "SCALE:1:1" at 10912.93,-5761.58 h59.06
  text "SHEET 1 OF 1" at 12661.13,-5761.58 h59.06
Mechanical 15:
  lines w0.5: 2115,1451 ccw(c2163,1451) 2163,1403 2973,1403 cw(c2973,1397) 2979,1397 2979,2314 cw(c3029,2314) 3029,2364 3053,2364 2333,2364 ccw(c2333,2314) 2283,2314 2283,1694 cw(c2233,1694) 2233,1644 2155,1644 ccw(c2155,1604) 2115,1604 2115,1451

## Text inside footprints (layer, text, board x,y; h text height)
J1: Top Overlay "RJ45" at -387,3093 h30
J2: Top Overlay "RJ45" at 2514,1904 h30
LS1: Top Overlay "+" at 4229,3570 h100 r180
U3: Mechanical 13 "*" at 332.11,4322 h50 r270; Mechanical 13 "EMA_UL_Team" at 229,4202 h60 r270; Mechanical 13 "RefDes2" at 229,4202 h50 r270
U6: Top Overlay "VCC" at 2221.26,6035.63 h35; Top Overlay "VCC" at 2611.26,6035.63 h35; Top Overlay "GND" at 2221.26,5735.63 h35; Top Overlay "GND" at 2611.26,5735.63 h35; Top Overlay "RX" at 2231.26,5935.63 h35; Top Overlay "TX" at 2231.26,5835.63 h35; Top Overlay "SDA" at 2611.26,5835.63 h35; Top Overlay "SCL" at 2625,5940 h35; Top Overlay "D0" at 2221.26,6135.63 h35; Top Overlay "D1" at 2231.26,5635.63 h35; Top Overlay "D2" at 2611.26,6135.63 h35; Top Overlay "D3" at 2621.26,5635.63 h35